# Altium PCB QCPower Rev A.PcbDoc (part 1 of 5)
Units mm, origin at the board's own origin, x right, y up, seen from the top; angles counter-clockwise.
Board outline 70 x 65 mm, 6 copper layers (Layer 1, Layer 2, Layer 3, Layer 4, Layer 5, Layer 6), stack 1.599 mm thick; 479 components, 300 nets, 1345 pads, 1188 vias.
Unrouted connection lines stored in the file: 4.
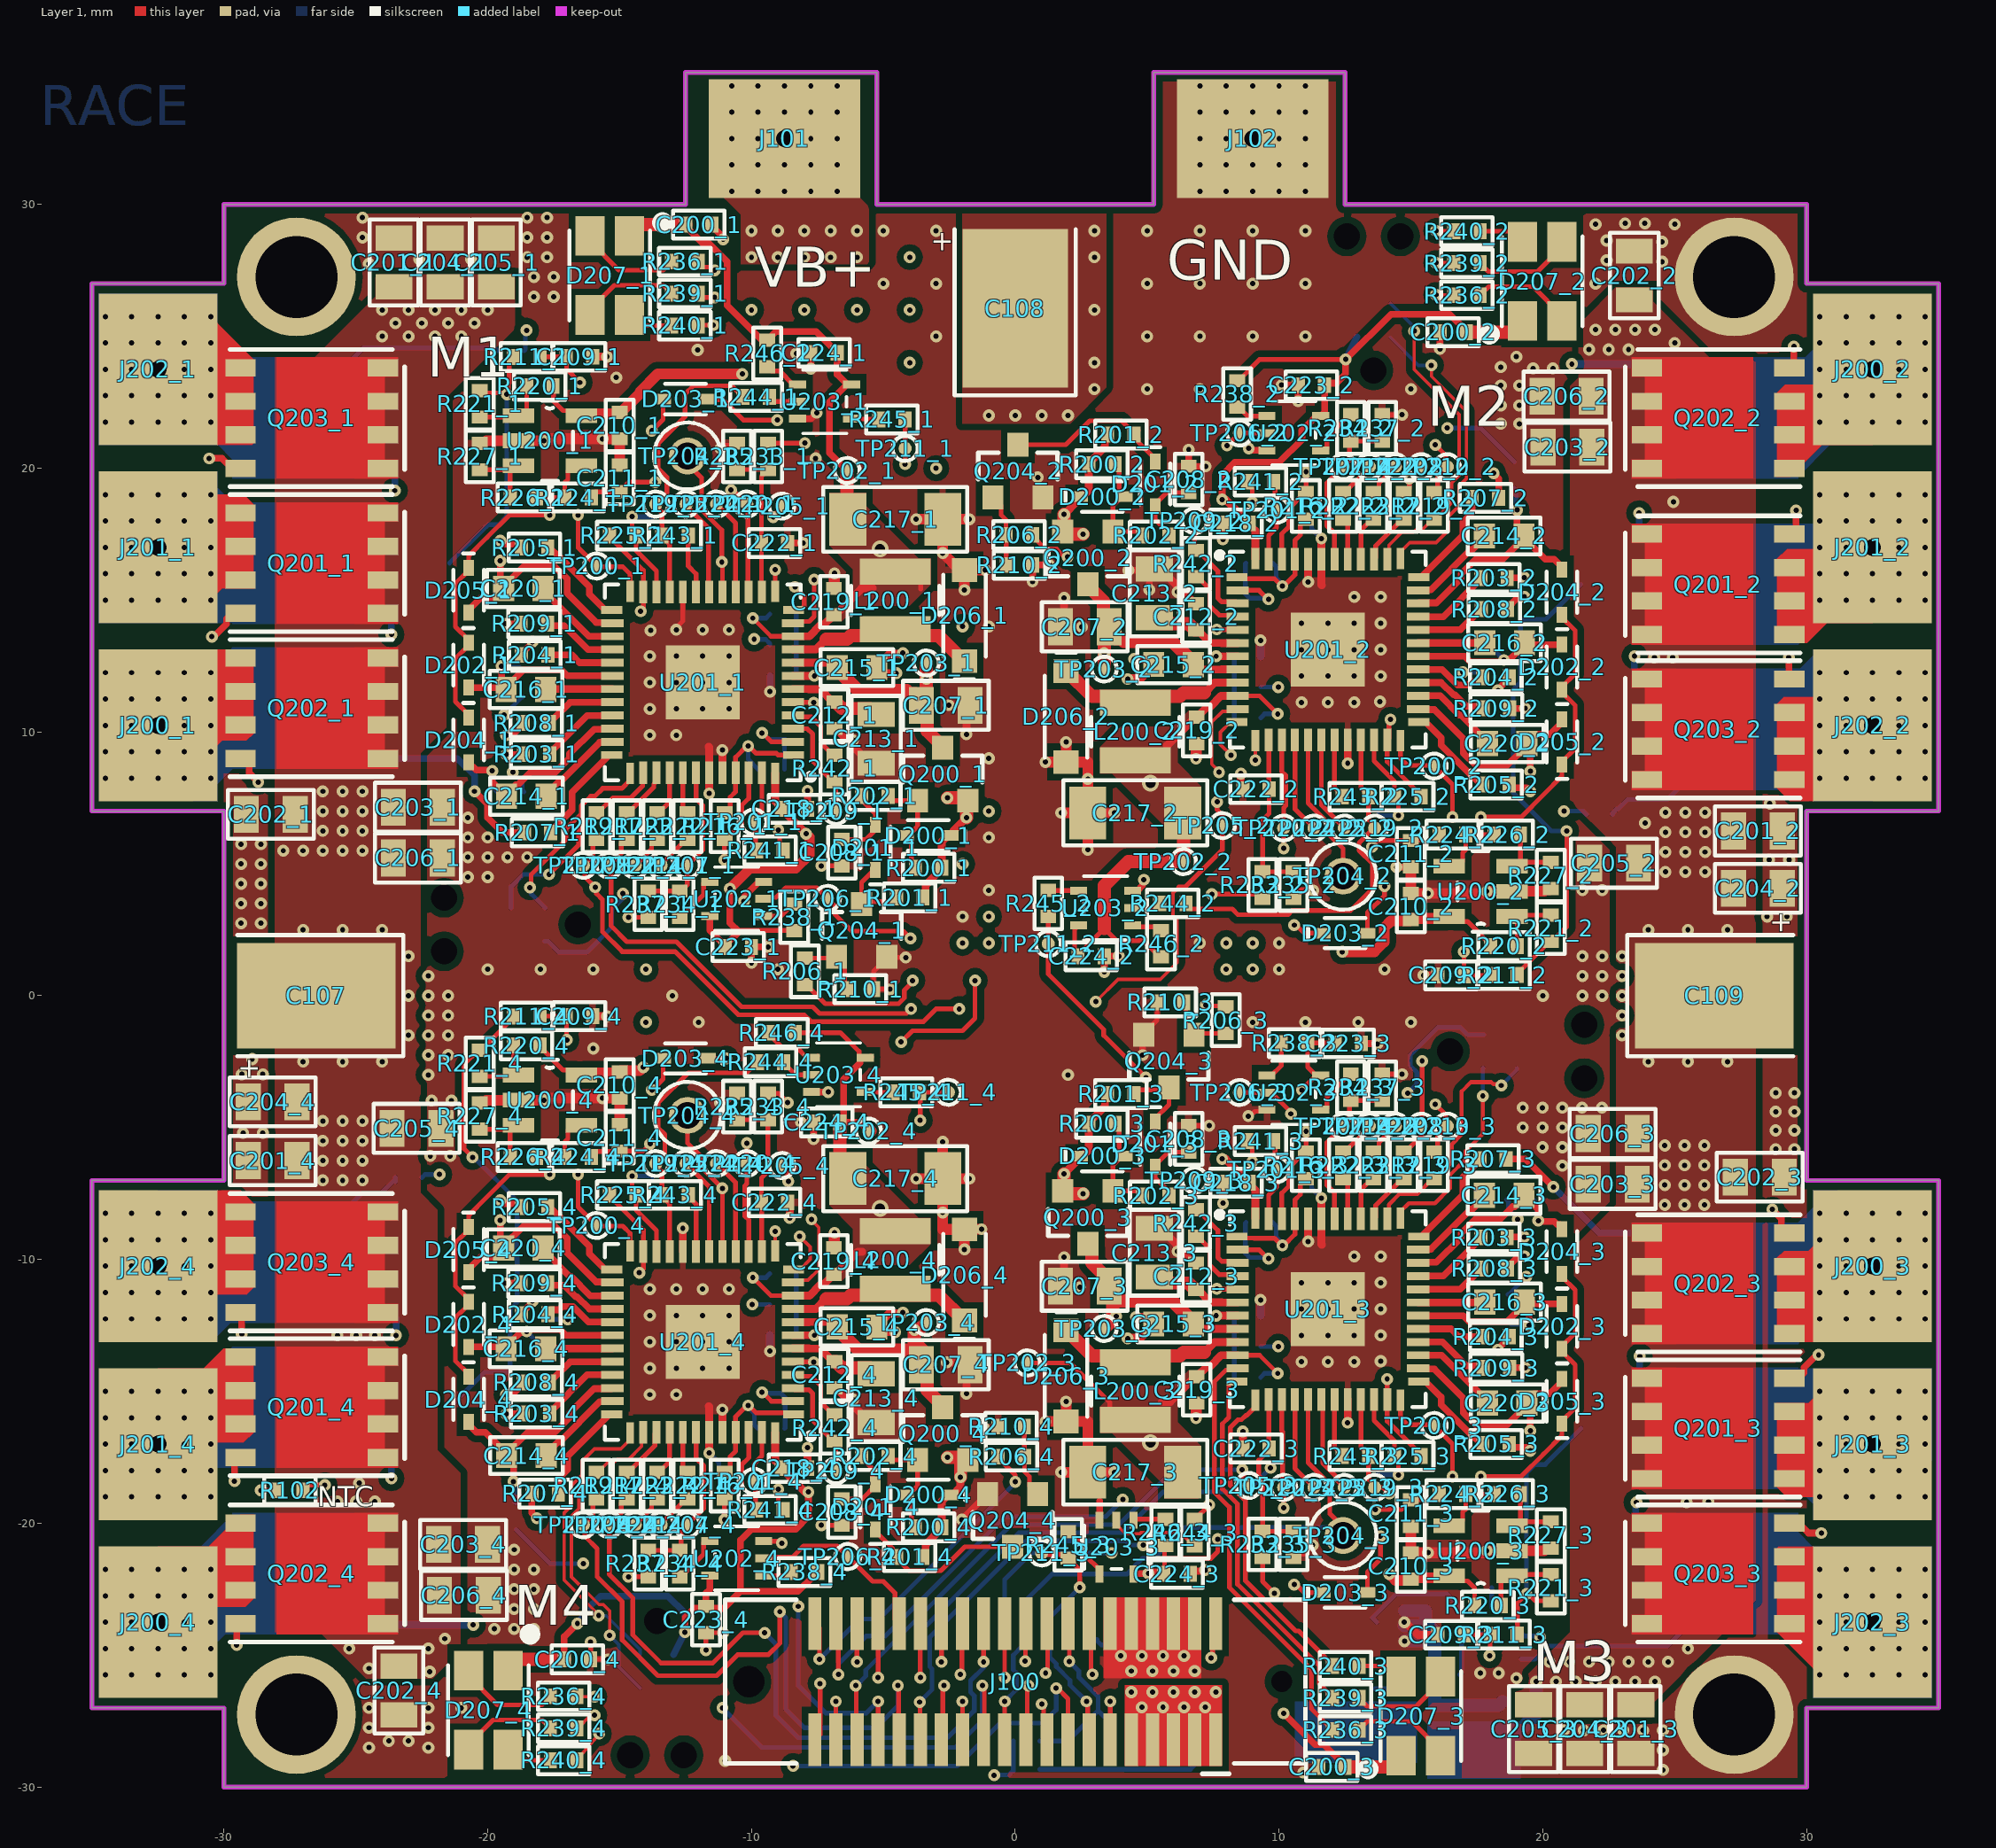
[diagram p0: Layer 1 view]
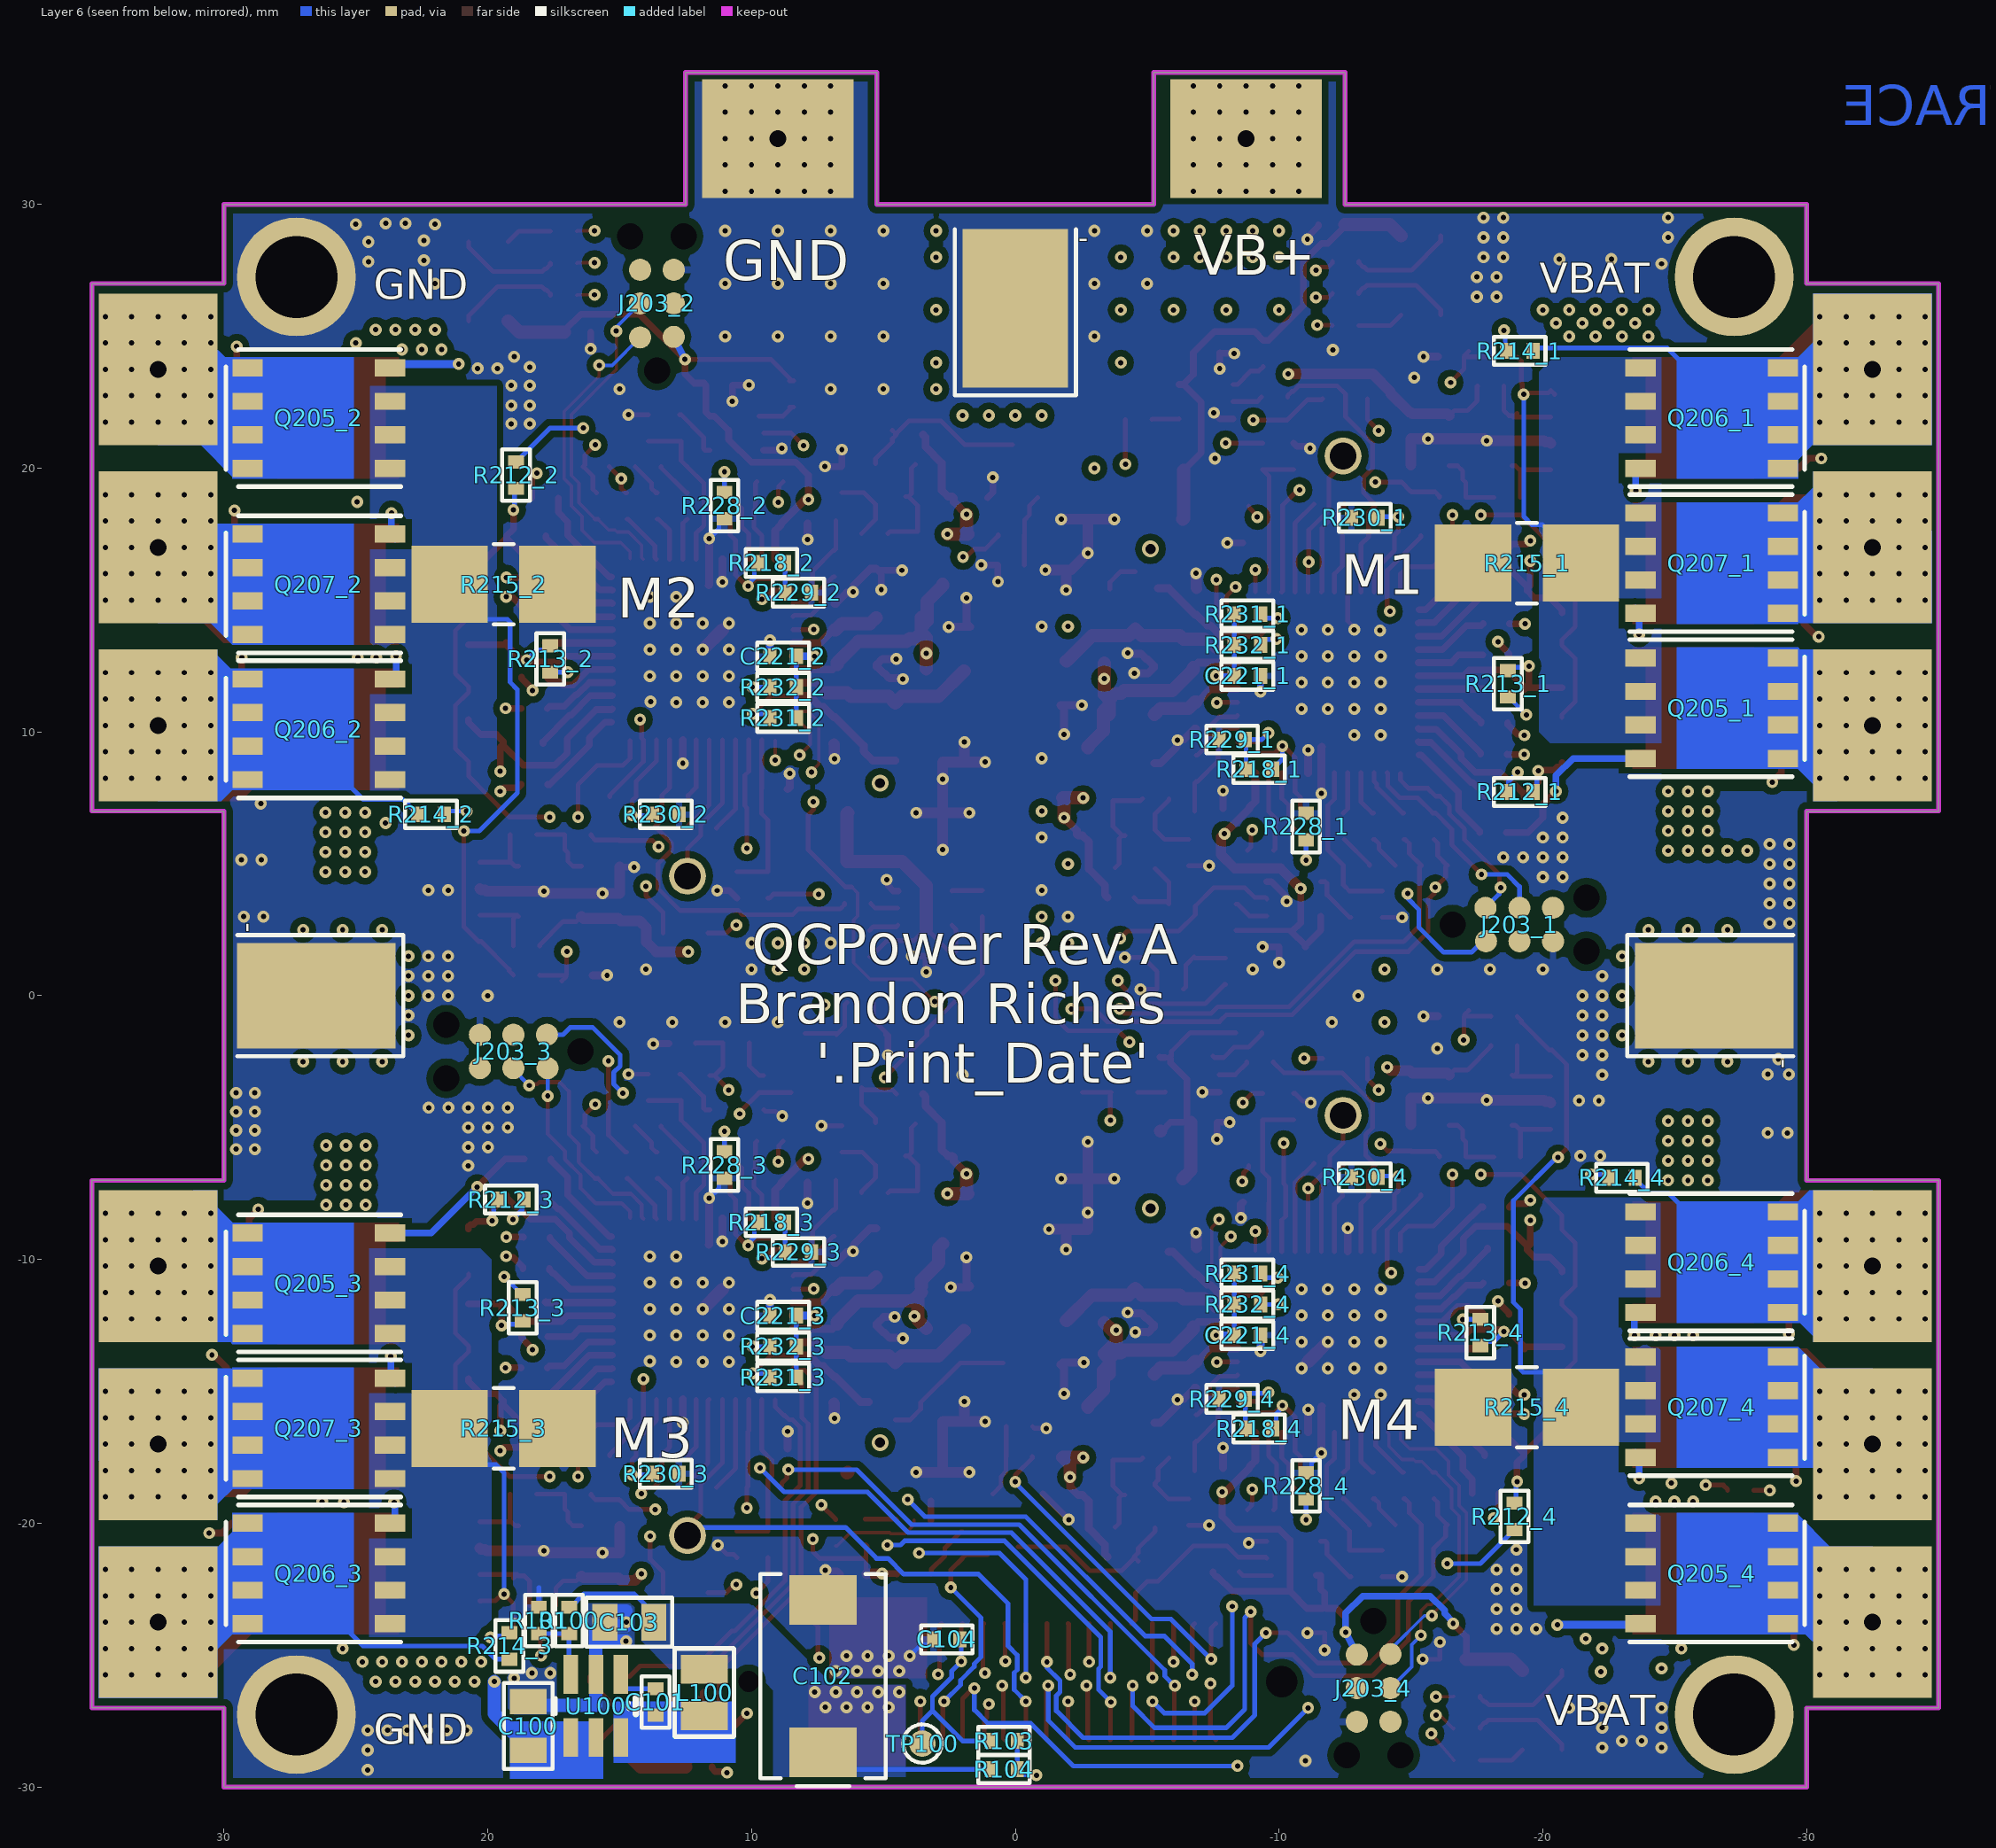
[diagram p1: Layer 6 view, seen from below]
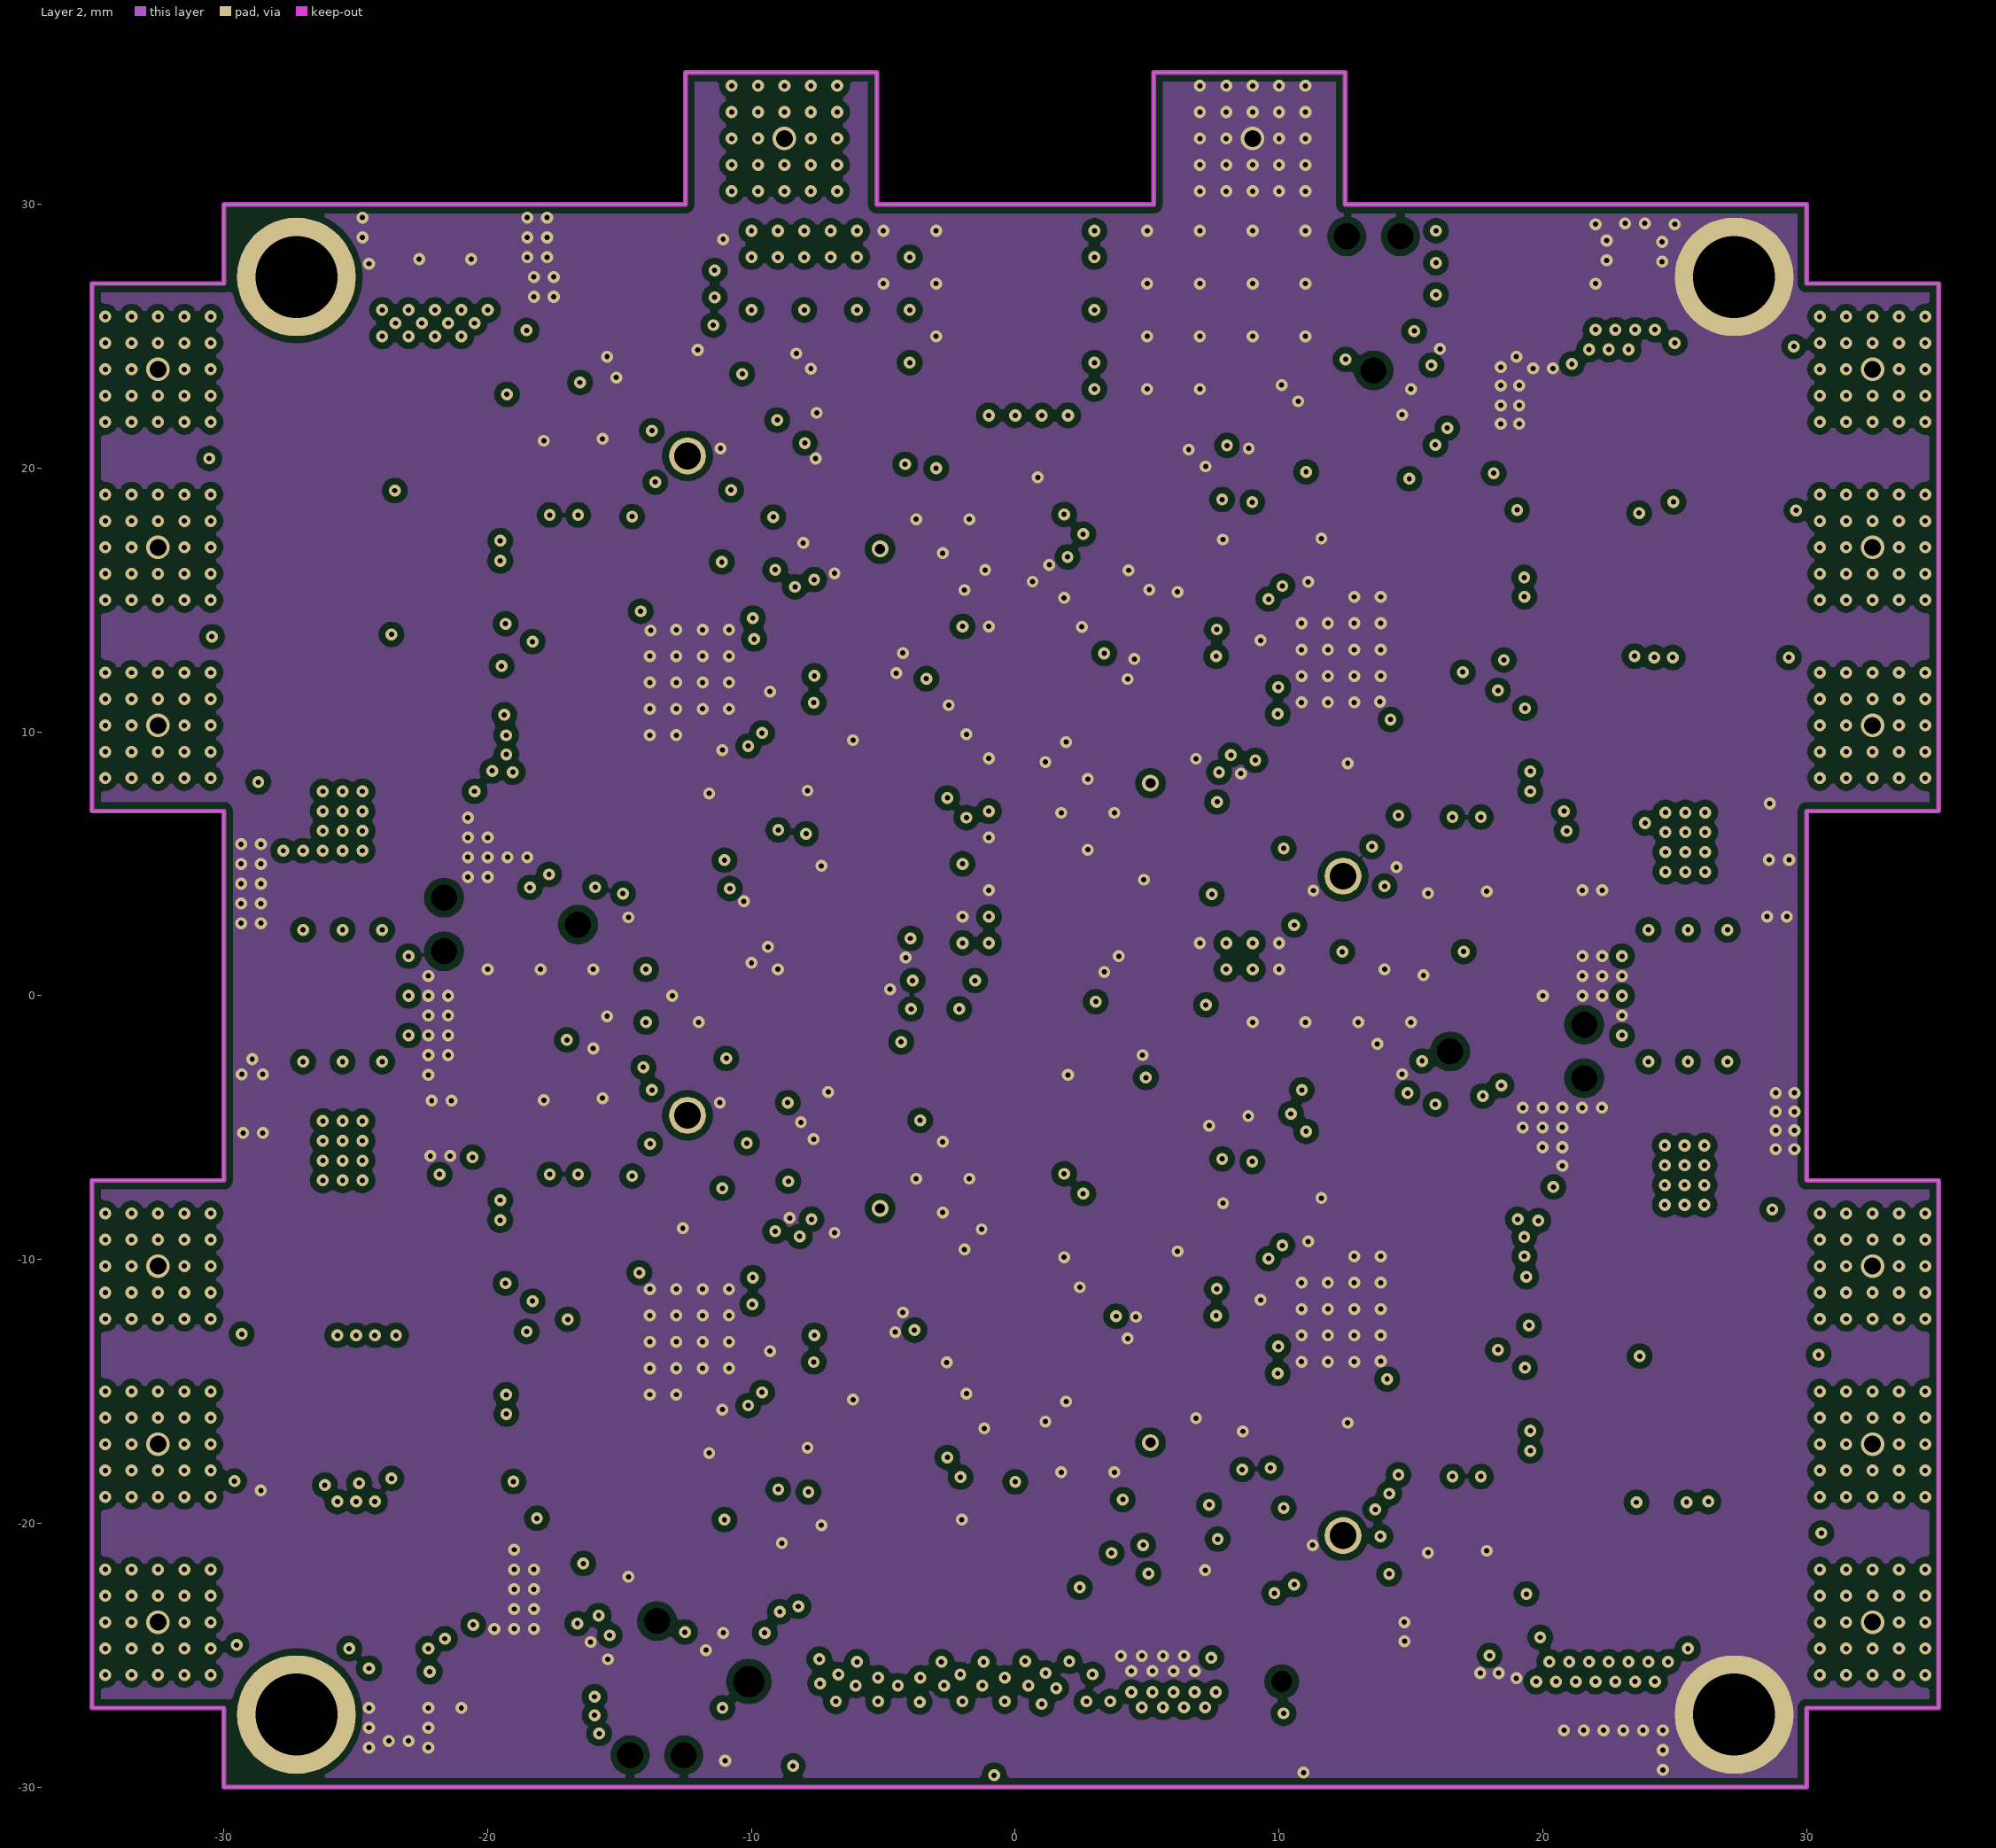
[diagram p2: Layer 2]
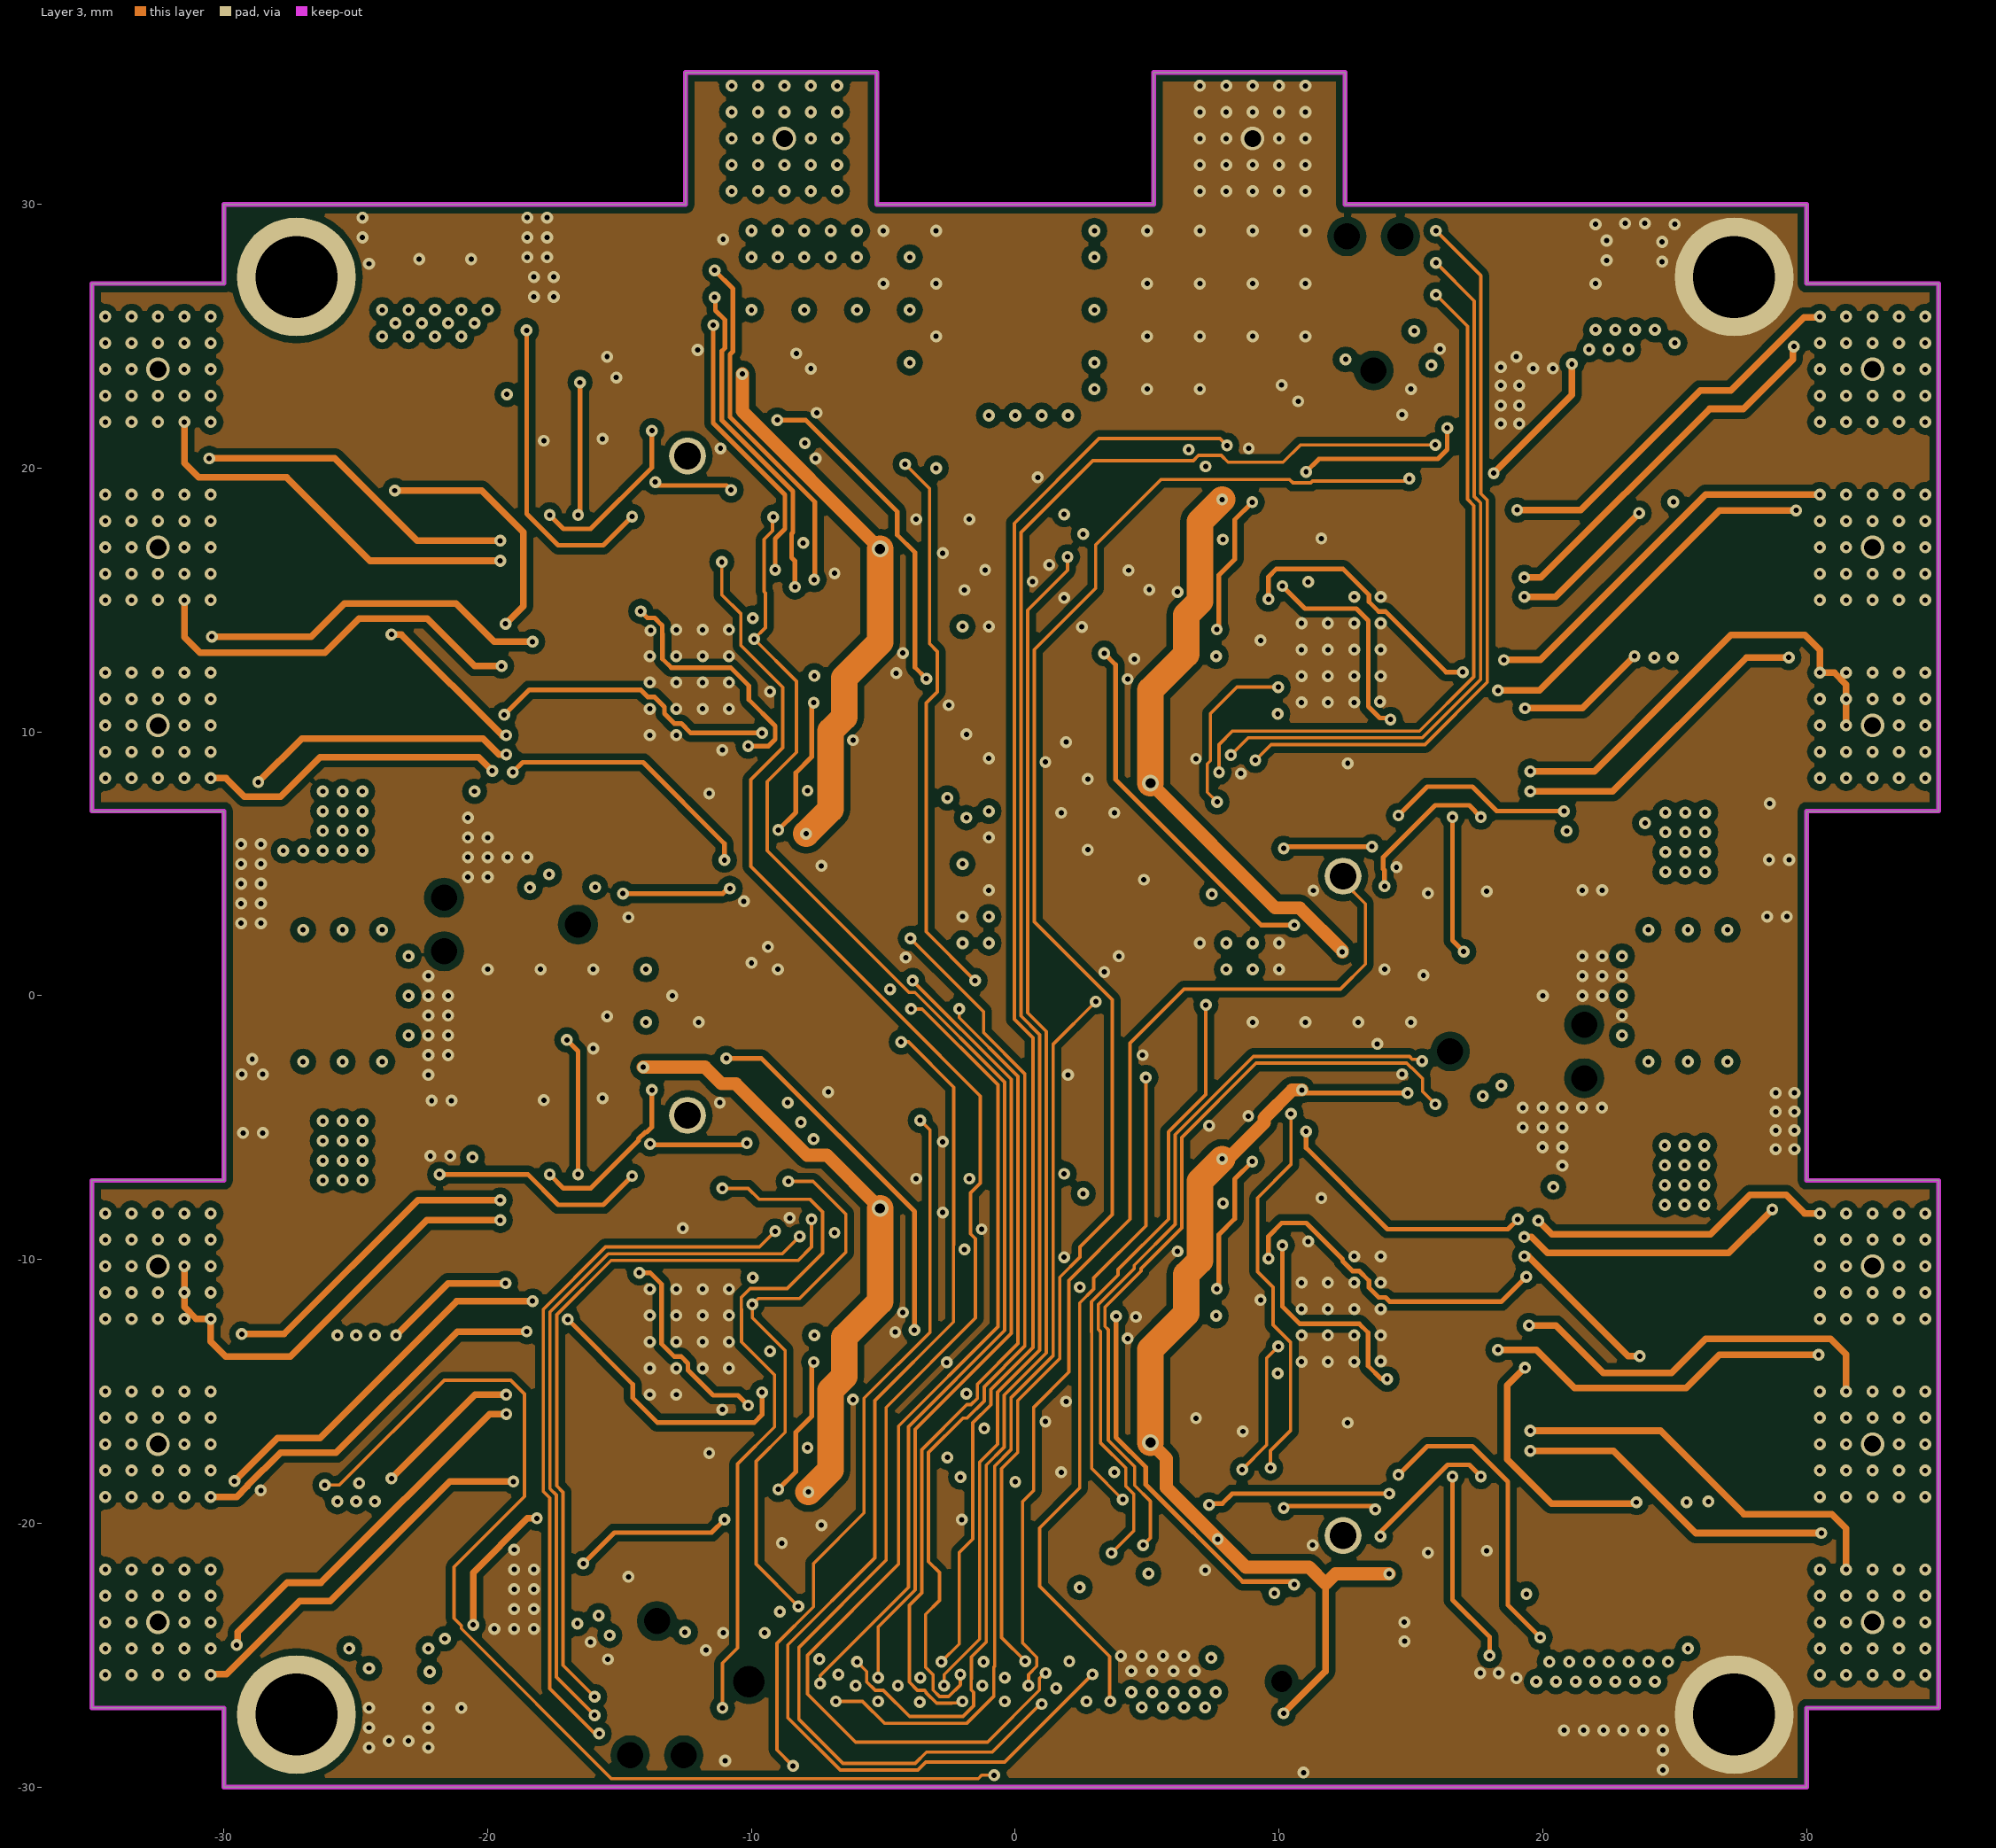
[diagram p3: Layer 3]